# Altium PCB balenaFin_v1_x_x.PcbDoc (part 7 of 7)
Units mm, origin at the board's own origin, x right, y up, seen from the top; angles counter-clockwise.
Board outline 90.03 x 90.03 mm, 8 copper layers (TOP, GND, INT1, INT2, INT3, INT4, POWER, BOTTOM), stack 1.496 mm thick; 502 components, 409 nets, 2324 pads, 1048 vias.
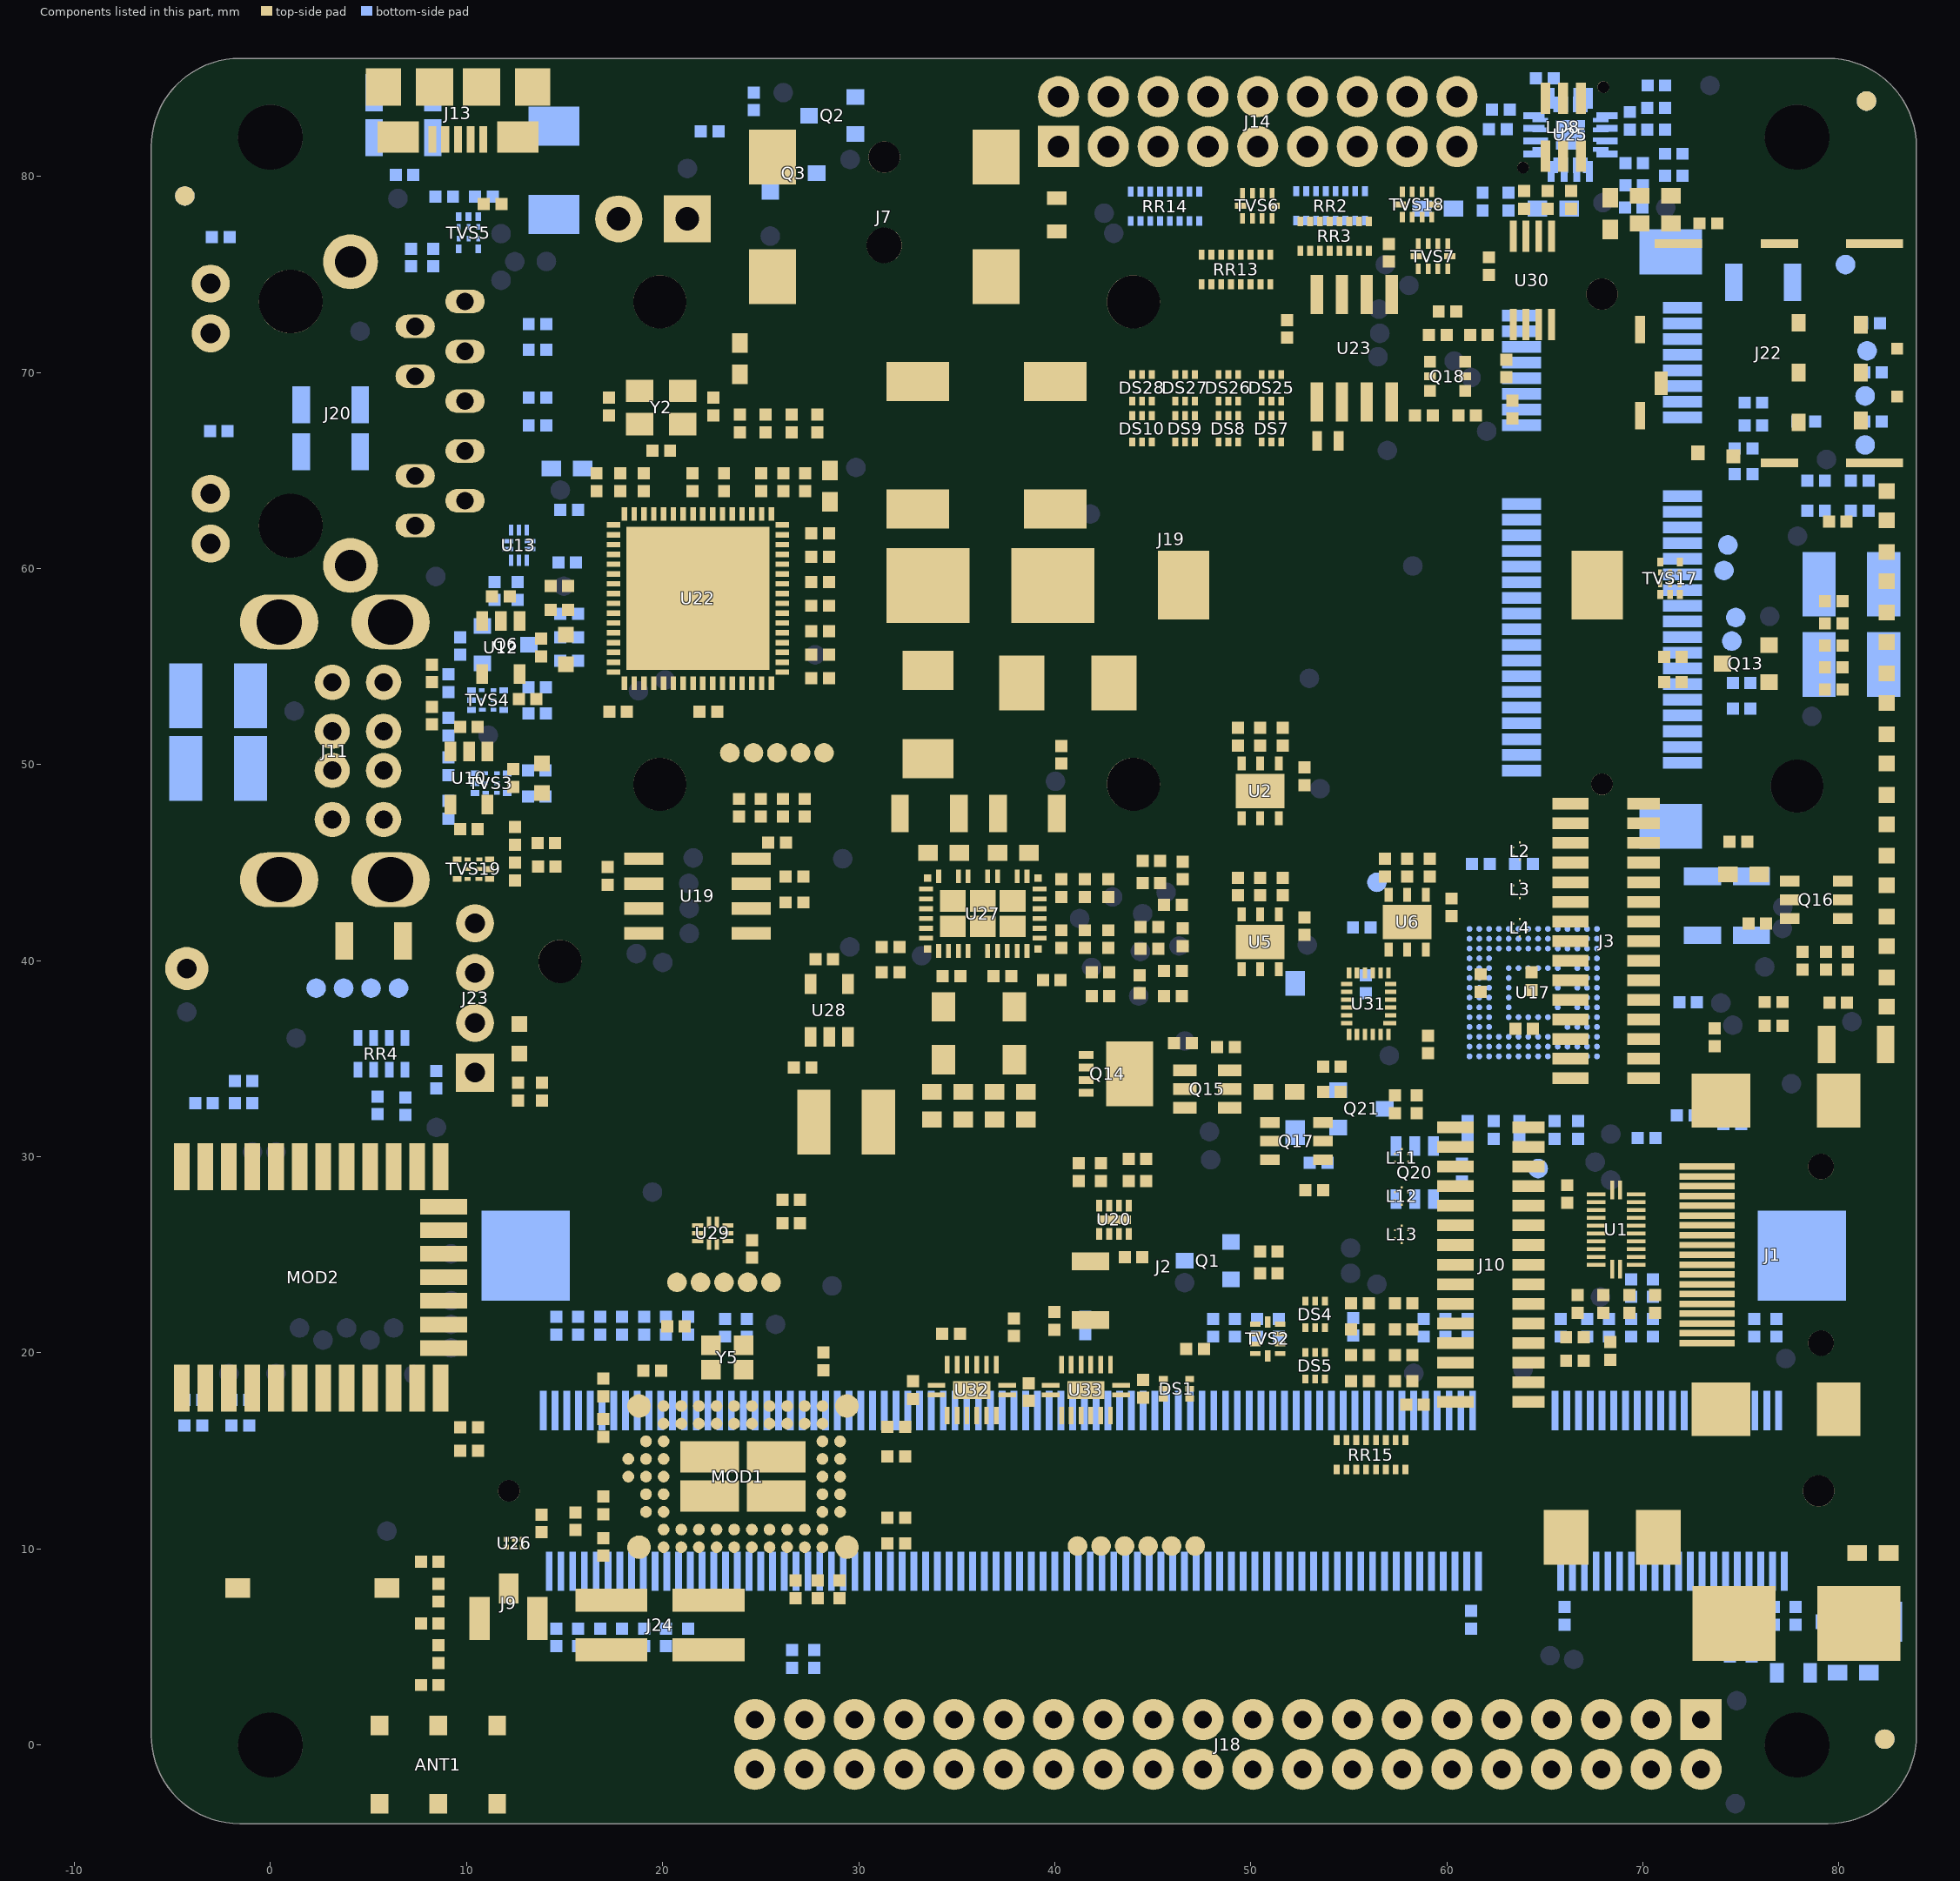
[diagram p13: the components of this part, seen from the top]

## Silkscreen, mask and mechanical layers (free items; w line width, h text height) (continued)
Title-block:
  drawing of 199 lines, arcs and shapes, not listed
  text "5" at -44.873,191.839 h1.27
  text "5" at -44.873,191.839 h1.27
  text "4" at 37.016,191.839 h1.27
  text "4" at 37.016,191.839 h1.27
  text "3" at 118.7,191.839 h1.27
  text "3" at 118.7,191.839 h1.27
  text "2" at 200.534,191.839 h1.27
  text "2" at 200.534,191.839 h1.27
  text "1" at 282.04,191.839 h1.27
  text "1" at 282.04,191.839 h1.27
  text "D" at -93.006,150.437 h1.27
  text "D" at -93.006,150.437 h1.27
  text "D" at 324.316,150.437 h1.27
  text "D" at 324.316,150.437 h1.27
  text "C" at -92.91,78.809 h1.27
  text "C" at -92.91,78.809 h1.27
  text "C" at 324.412,78.809 h1.27
  text "C" at 324.412,78.809 h1.27
  text "B" at -92.991,7.181 h1.27
  text "B" at -92.991,7.181 h1.27
  text "B" at 324.331,7.181 h1.27
  text "B" at 324.331,7.181 h1.27
  text "MANFACTURING SPECIFICATIONS" at 242.272,-27.368 h1.31
  text "MANFACTURING SPECIFICATIONS" at 242.272,-27.368 h1.31
  text "BOARD SIZE" at 177.653,-33.368 h1.31
  text "BOARD SIZE" at 177.653,-33.368 h1.31
  text "90X90x1.6mm" at 236.503,-33.368 h1.31
  text "90X90x1.6mm" at 236.503,-33.368 h1.31
  text "SOLDER COLOR" at 251.089,-33.368 h1.31
  text "SOLDER COLOR" at 251.089,-33.368 h1.31
  text "BLACK" at 316.121,-33.368 h1.31
  text "BLACK" at 316.121,-33.368 h1.31
  text "NO.OF LAYERS" at 177.648,-39.368 h1.31
  text "NO.OF LAYERS" at 177.648,-39.368 h1.31
  text "8" at 248.236,-39.368 h1.31
  text "8" at 248.236,-39.368 h1.31
  text "DIELECTRIC MATERIAL" at 251.032,-39.368 h1.31
  text "DIELECTRIC MATERIAL" at 251.032,-39.368 h1.31
  text "FR4-TG140" at 312.918,-39.368 h1.31
  text "FR4-TG140" at 312.918,-39.368 h1.31
  text "COPPER THICKNESS" at 177.695,-45.368 h1.31
  text "COPPER THICKNESS" at 177.695,-45.368 h1.31
  text "35um" at 245.01,-45.368 h1.31
  text "35um" at 245.01,-45.368 h1.31
  text "MIN.TRACE WIDTH" at 251.037,-45.368 h1.31
  text "MIN.TRACE WIDTH" at 251.037,-45.368 h1.31
  text "0.1mm" at 316.999,-45.368 h1.31
  text "0.1mm" at 316.999,-45.368 h1.31
  text "FINISH" at 177.636,-51.368 h1.31
  text "FINISH" at 177.636,-51.368 h1.31
  text "ENIG" at 244.873,-51.368 h1.31
  text "ENIG" at 244.873,-51.368 h1.31
  text "MIN.TRACE SPACING" at 251.037,-51.368 h1.31
  text "MIN.TRACE SPACING" at 251.037,-51.368 h1.31
  text "0.1mm" at 316.999,-51.368 h1.31
  text "0.1mm" at 316.999,-51.368 h1.31
  text "0.254mm" at 315.399,-57.268 h1.31
  text "0.254mm" at 315.399,-57.268 h1.31
  text "SILKSCREEN COLOR" at 177.703,-57.368 h1.31
  text "SILKSCREEN COLOR" at 177.703,-57.368 h1.31
  text "WHITE" at 243.377,-57.368 h1.31
  text "WHITE" at 243.377,-57.368 h1.31
  text "MIN. VIA SIZE" at 251.037,-57.368 h1.31
  text "MIN. VIA SIZE" at 251.037,-57.368 h1.31
  text "Project name" at 228.344,-63.241 h1.31
  text "Board name" at 276.62,-63.241 h1.31
  text "A" at -92.732,-64.447 h1.27
  text "A" at -92.732,-64.447 h1.27
  text "A" at 324.59,-64.447 h1.27
  text "A" at 324.59,-64.447 h1.27
  text "BALENAFIN" at 242.699,-69.591 h1.31
  text "BALENAFIN" at 287.862,-69.591 h1.31
  text "Designer" at 228.344,-75.635 h1.31
  text "Approved" at 276.886,-75.643 h1.31
  text "Nicolas Tzovanis" at 243.086,-75.758 h1.31
  text "Data" at 273.887,-90.394 h1.31
  text "Data" at 273.887,-90.394 h1.31
  text "Rev." at 229.5,-90.488 h1.31
  text "Rev." at 229.5,-90.488 h1.31
  text "5" at -44.873,-102.547 h1.27
  text "5" at -44.873,-102.547 h1.27
  text "4" at 37.016,-102.547 h1.27
  text "4" at 37.016,-102.547 h1.27
  text "3" at 118.7,-102.547 h1.27
  text "3" at 118.7,-102.547 h1.27
  text "2" at 200.534,-102.547 h1.27
  text "2" at 200.534,-102.547 h1.27
  text "1" at 282.04,-102.547 h1.27
  text "1" at 282.04,-102.547 h1.27
Flying-probe-bottom:
  text "N18502868" at 73.415,84.633 h0.7
  text "N17297409" at 26.15,84.27 h0.7
  text "N17299945" at 29.56,80.86 h0.7
  text "VIN_CON" at 21.26,80.4 h0.7
  text "N17354151" at 6.5,78.87 h0.7
  text "N18502871" at 67.96,78.66 h0.7
  text "N18498215" at 71.16,78.4 h0.7
  text "N18386825" at 42.516,78.12 h0.7
  text "N18386822" at 43.005,77.095 h0.7
  text "+5V_USB_DBG" at 11.76,77.077 h0.7
  text "EMMC_EN_N_1V8" at 25.49,76.95 h0.7
  text "GND_DIGITAL-1" at 14.07,75.66 h1
  text "USB_DBG_D+" at 12.46,75.65 h0.7
  text "SW_I2C_SDA_ON" at 56.86,75.5 h0.7
  text "N17130249" at 80.33,75.5 h0.7
  text "USB_DBG_D-" at 11.76,74.7 h0.7
  text "MCU-GPIO7_EXT" at 58.063,74.437 h0.7
  text "SW_I2C_SCL_ON" at 56.538,73.223 h0.7
  text "GND_EARTH" at 4.57,72.1 h0.7
  text "I2C1_SDA" at 56.576,71.994 h0.7
  text "N17130223" at 81.43,71.1 h0.7
  text "I2C1_SCL" at 56.482,70.8 h0.7
  text "N18668852" at 60.37,70.58 h0.7
  text "N17130185" at 61.23,69.74 h0.7
  text "N17130226" at 81.33,68.8 h0.7
  text "N17123208" at 62.03,67 h0.7
  text "N17130229" at 81.33,66.3 h0.7
  text "N18469944" at 56.962,66.02 h0.7
  text "N17128944" at 79.36,65.56 h0.7
  text "+1V8_USBPLL" at 29.86,65.152 h0.7
  text "N18424363" at 14.78,64 h0.7
  text "SPI-MCU_SCLK" at 41.81,62.78 h0.7
  text "N18660257" at 77.878,61.65 h0.7
  text "N17130232" at 74.33,61.2 h0.7
  text "+1V5" at 58.26,60.13 h0.7
  text "N17130235" at 74.13,59.9 h0.7
  text "5V_HOST2" at 8.428,59.592 h0.7
  text "+3V3_A" at 14.96,59.1 h0.7
  text "PW_EN_LED" at 76.46,57.56 h0.7
  text "N17130238" at 74.73,57.5 h0.7
  text "N17130241" at 74.53,56.3 h0.7
  text "N18433009" at 27.782,55.6 h0.7
  text "+5V" at 52.982,54.4 h0.7
  text "N18439559" at 20.125,54.316 h0.7
  text "N18439563" at 18.77,53.76 h0.7
  text "5V_HOST1" at 1.206,52.731 h0.7
  text "SEL_CAM_DIS" at 78.612,52.46 h0.7
  text "USB_HOST1_CTRL" at 11.1,51.5 h0.7
  text "N18679899" at 40.033,49.15 h0.7
  text "+2V8" at 53.53,48.772 h0.7
  text "EE_CLK" at 21.56,45.24 h0.7
  text "+3V3" at 29.185,45.2 h0.7
  text "N18406685" at 56.43,44 h0.7
  text "EE_CS" at 21.33,43.94 h0.7
  text "N18693121" at 45.678,43.49 h0.7
  text "N18690133" at 42.948,43.252 h0.7
  text "N18639693" at 77.132,42.74 h0.7
  text "EE_DO" at 21.36,42.66 h0.7
  text "N18692780" at 44.48,42.398 h0.7
  text "N18690136" at 41.268,42.15 h0.7
  text "N18639689" at 77.108,41.64 h0.7
  text "EE_DI" at 21.36,41.39 h0.7
  text "+1V8" at 52.878,40.8 h0.7
  text "N18693124" at 46.34,40.75 h0.7
  text "N18689680" at 29.548,40.7 h0.7
  text "N18692359" at 44.367,40.471 h0.7
  text "SWDIO_MCU" at 18.66,40.36 h0.7
  text "N18695554" at 33.21,40.252 h0.7
  text "SWCLK_MCU" at 20.01,39.91 h0.7
  text "N16879463" at 76.21,39.682 h0.7
  text "N18696577" at 41.88,39.652 h0.7
  text "+5V_INT" at 44.282,38.2 h0.7
  text "HDMI_CEC" at 73.973,37.842 h0.7
  text "GND_DIGITAL" at -4.27,37.38 h0.7
  text "+3V3_LED" at 80.653,36.89 h0.7
  text "N16879564" at 74.58,36.712 h0.7
  text "RST_MCU" at 1.31,36.05 h0.7
  text "N18655098" at 46.63,35.904 h0.7
  text "+5V_DEV" at 57.06,35.16 h0.7
  text "N16879749" at 77.57,33.727 h0.7
  text "+3V3_ON" at 8.46,31.5 h0.7
  text "N18655160" at 47.888,31.28 h0.7
  text "VDDM" at 68.36,31.16 h0.7
  text "MCU-GPIO7" at -0.92,30.248 h0.7
  text "MCU-GPIO6" at 0.28,30.248 h0.7
  text "N18656716" at 47.948,29.85 h0.7
  text "HDMI_SDA" at 67.56,29.73 h0.7
  text "EMMC_DS" at 64.65,29.4 h0.7
  text "HDMI_SCL" at 68.354,28.812 h0.7
  text "WIFI_BLE_PDN" at 7.16,28.41 h0.7
  text "PW_ON_3V3" at 19.48,28.2 h0.7
  text "HDMI_HPD" at 55.084,25.346 h0.7
  text "MCU-GPIO5" at 9.21,25.05 h0.7 r90
  text "N19378336" at 28.03,24.85 h0.7
  text "SW_I2C_SDA_ON-OFF" at 55.087,24.056 h0.7
  text "N16882551" at 46.62,23.58 h0.7
  text "SW_I2C_SCL_ON-OFF" at 56.43,23.5 h0.7
  text "BT_PCM_CLK" at 28.644,23.416 h0.7
  text "BT_PCM_OUT" at 67.83,22.85 h0.7
  text "MCU-GPIO5" at 9.21,22.66 h0.7 r90
  text "MCU-GPIO5" at 9.21,21.45 h0.7 r90
  text "BT_PCM_IN" at 25.76,21.452 h0.7
  text "MCU-GPIO4" at 1.48,21.27 h0.7
  text "MCU-GPIO4" at 3.88,21.27 h0.7
  text "MCU-GPIO4" at 6.28,21.27 h0.7
  text "MCU-GPIO5" at 2.68,20.652 h0.7
  text "MCU-GPIO5" at 5.08,20.652 h0.7
  text "MCU-GPIO5" at 9.21,20.25 h0.7 r90
  text "EMMC_DISABLE_N" at 77.28,19.71 h0.7
  text "EMMC_CMD" at 63.88,19.143 h0.7
  text "MCU-GPIO5" at -2.12,18.948 h0.7 r180
  text "MCU-GPIO5" at 0.28,18.948 h0.7 r180
  text "WIFI_SDIO_CLK" at 58.31,18.96 h0.7
  text "MCU-GPIO5" at 7.309,18.9 h0.7
  text "N18652550" at 5.94,10.912 h0.7
  text "N17179377" at 10.86,7.06 h0.7
  text "I2C0_SDA" at 65.26,4.56 h0.7
  text "I2C0_SCL" at 66.469,4.369 h0.7
  text "3V3_HAT" at 74.78,2.26 h0.7
  text "5V_HAT" at 74.71,-2.99 h0.7

## Dimensions
0,86.3 to 77.86,82 on Fab-notes
77.86,82 to 77.86,0 on Fab-notes
-1.57,86 to -1.57,-4 on Fab-notes
-6.07,81.5 to 83.93,81.5 on Fab-notes

## Text inside footprints (layer, text, board x,y; h text height)
ANT1: PIN_NUMBER "2" at 8.48,1 h0.2 r270; PIN_NUMBER "6" at 11.48,-3 h0.2 r270; PIN_NUMBER "5" at 8.48,-3 h0.2 r270; PIN_NUMBER "4" at 5.48,-3 h0.2 r270; PIN_NUMBER "3" at 5.48,1 h0.2 r270; PIN_NUMBER "1" at 11.48,1 h0.2 r270
BAT1: PIN_NUMBER "1" at 67.587,59.15 h0.2 r180; PIN_NUMBER "2" at 46.487,59.15 h0.2 r180
C1: PIN_NUMBER "1" at 76.72,20.83 h0.2 r270; PIN_NUMBER "2" at 76.72,21.73 h0.2 r270
C2: PIN_NUMBER "1" at 75.6,20.83 h0.2 r270; PIN_NUMBER "2" at 75.6,21.73 h0.2 r270
C3: PIN_NUMBER "2" at 77.03,36.69 h0.2; PIN_NUMBER "1" at 76.13,36.69 h0.2
C4: PIN_NUMBER "2" at 65.92,7.04 h0.2 r270; PIN_NUMBER "1" at 65.92,6.14 h0.2 r270
C5: PIN_NUMBER "1" at 65.73,20.83 h0.2 r270; PIN_NUMBER "2" at 65.73,21.73 h0.2 r270
C6: PIN_NUMBER "2" at 61.16,6.84 h0.2 r270; PIN_NUMBER "1" at 61.16,5.94 h0.2 r270
C7: PIN_NUMBER "1" at 60.97,20.83 h0.2 r270; PIN_NUMBER "2" at 60.97,21.73 h0.2 r270
C8: PIN_NUMBER "2" at 79.117,35.819 h0.2 r180; PIN_NUMBER "1" at 82.111,35.813 h0.2 r180
C9: PIN_NUMBER "2" at 66.58,22.04 h0.2 r270; PIN_NUMBER "1" at 66.58,22.94 h0.2 r270
C10: PIN_NUMBER "2" at 69.22,22.04 h0.2 r270; PIN_NUMBER "1" at 69.22,22.94 h0.2 r270
C11: PIN_NUMBER "1" at 58.38,33.13 h0.2 r270; PIN_NUMBER "2" at 58.38,32.23 h0.2 r270
C12: PIN_NUMBER "1" at 57.26,33.13 h0.2 r270; PIN_NUMBER "2" at 57.26,32.23 h0.2 r270
C13: PIN_NUMBER "2" at 21.21,5.94 h0.2 r270; PIN_NUMBER "1" at 21.21,5.04 h0.2 r270
C14: PIN_NUMBER "1" at 21.21,20.93 h0.2 r270; PIN_NUMBER "2" at 21.21,21.83 h0.2 r270
C15: PIN_NUMBER "2" at 20.09,5.94 h0.2 r270; PIN_NUMBER "1" at 20.09,5.04 h0.2 r270
C16: PIN_NUMBER "1" at 20.09,20.93 h0.2 r270; PIN_NUMBER "2" at 20.09,21.83 h0.2 r270
C17: PIN_NUMBER "2" at 18.97,5.94 h0.2 r270; PIN_NUMBER "1" at 18.97,5.04 h0.2 r270
C18: PIN_NUMBER "1" at 18.97,20.93 h0.2 r270; PIN_NUMBER "2" at 18.97,21.83 h0.2 r270
C19: PIN_NUMBER "2" at 17.85,5.94 h0.2 r270; PIN_NUMBER "1" at 17.85,5.04 h0.2 r270
C20: PIN_NUMBER "1" at 17.85,20.93 h0.2 r270; PIN_NUMBER "2" at 17.85,21.83 h0.2 r270
C21: PIN_NUMBER "2" at 16.73,5.94 h0.2 r270; PIN_NUMBER "1" at 16.73,5.04 h0.2 r270
C22: PIN_NUMBER "1" at 16.73,20.93 h0.2 r270; PIN_NUMBER "2" at 16.73,21.83 h0.2 r270
C23: PIN_NUMBER "2" at 15.61,5.94 h0.2 r270; PIN_NUMBER "1" at 15.61,5.04 h0.2 r270
C24: PIN_NUMBER "1" at 15.61,20.93 h0.2 r270; PIN_NUMBER "2" at 15.61,21.83 h0.2 r270
C25: PIN_NUMBER "2" at 14.49,5.94 h0.2 r270; PIN_NUMBER "1" at 14.49,5.04 h0.2 r270
C26: PIN_NUMBER "1" at 14.49,20.93 h0.2 r270; PIN_NUMBER "2" at 14.49,21.83 h0.2 r270
C27: PIN_NUMBER "1" at 52.66,49.85 h0.2 r270; PIN_NUMBER "2" at 52.66,48.95 h0.2 r270
C28: PIN_NUMBER "1" at 49.26,50.97 h0.2 r90; PIN_NUMBER "2" at 49.26,51.87 h0.2 r90
C39: PIN_NUMBER "1" at 52.66,42.21 h0.2 r270; PIN_NUMBER "2" at 52.66,41.31 h0.2 r270
C40: PIN_NUMBER "1" at 49.26,43.33 h0.2 r90; PIN_NUMBER "2" at 49.26,44.23 h0.2 r90
C42: PIN_NUMBER "2" at 60.16,42.27 h0.2 r270; PIN_NUMBER "1" at 60.16,43.17 h0.2 r270
C43: PIN_NUMBER "1" at 56.76,44.29 h0.2 r90; PIN_NUMBER "2" at 56.76,45.19 h0.2 r90
C60: PIN_NUMBER "2" at 7.59,3.06 h0.2 r180; PIN_NUMBER "1" at 8.49,3.06 h0.2 r180
C61: PIN_NUMBER "1" at 58.74,17.36 h0.2 r180; PIN_NUMBER "2" at 57.84,17.36 h0.2 r180
C63: PIN_NUMBER "2" at 9.59,46.7 h0.2 r180; PIN_NUMBER "1" at 10.49,46.7 h0.2 r180
C64: PIN_NUMBER "2" at 9.59,51.92 h0.2 r180; PIN_NUMBER "1" at 10.49,51.92 h0.2 r180
C68: PIN_NUMBER "2" at 8.99,47.24 h0.2 r90; PIN_NUMBER "1" at 8.99,48.14 h0.2 r90
C69: PIN_NUMBER "2" at 8.99,50.36 h0.2 r270; PIN_NUMBER "1" at 8.99,49.46 h0.2 r270
C70: PIN_NUMBER "2" at 8.153,52.05 h0.2 r270; PIN_NUMBER "1" at 8.153,52.95 h0.2 r270
C71: PIN_NUMBER "1" at 1.509,66.033 h0.2 r180; PIN_NUMBER "2" at 4.504,66.039 h0.2 r180
C75: PIN_NUMBER "2" at 13.48,53.34 h0.2; PIN_NUMBER "1" at 12.58,53.34 h0.2
C76: PIN_NUMBER "2" at 11.22,58.58 h0.2 r180; PIN_NUMBER "1" at 12.12,58.58 h0.2 r180
C77: PIN_NUMBER "2" at 8.99,51.48 h0.2 r90; PIN_NUMBER "1" at 8.99,52.38 h0.2 r90
C78: PIN_NUMBER "2" at 8.99,54.6 h0.2 r270; PIN_NUMBER "1" at 8.99,53.7 h0.2 r270
C79: PIN_NUMBER "2" at 8.153,55.1 h0.2 r90; PIN_NUMBER "1" at 8.153,54.2 h0.2 r90
C85: PIN_NUMBER "1" at 12.52,59.31 h0.2 r90; PIN_NUMBER "2" at 12.52,58.41 h0.2 r90
C86: PIN_NUMBER "2" at 8.33,78.97 h0.2; PIN_NUMBER "1" at 9.23,78.97 h0.2
C87: PIN_NUMBER "2" at 11.25,78.97 h0.2 r180; PIN_NUMBER "1" at 10.35,78.97 h0.2 r180
C88: PIN_NUMBER "2" at 11.7,78.58 h0.2; PIN_NUMBER "1" at 10.8,78.58 h0.2
C89: PIN_NUMBER "1" at 8.021,84.177 h0.2; PIN_NUMBER "2" at 5.027,84.171 h0.2
C91: PIN_NUMBER "2" at -3.02,32.74 h0.2 r180; PIN_NUMBER "1" at -3.92,32.74 h0.2 r180
C92: PIN_NUMBER "2" at -1.9,32.74 h0.2; PIN_NUMBER "1" at -1,32.74 h0.2
C93: PIN_NUMBER "2" at -1.9,33.86 h0.2; PIN_NUMBER "1" at -1,33.86 h0.2
C107: PIN_NUMBER "1" at 66.62,30.92 h0.2 r270; PIN_NUMBER "2" at 66.62,31.82 h0.2 r270
C108: PIN_NUMBER "1" at 65.42,30.92 h0.2 r270; PIN_NUMBER "2" at 65.42,31.82 h0.2 r270
C109: PIN_NUMBER "2" at 58.95,36.18 h0.2 r90; PIN_NUMBER "1" at 58.95,35.28 h0.2 r90
C110: PIN_NUMBER "2" at 64.24,38.5 h0.2 r270; PIN_NUMBER "1" at 64.24,39.4 h0.2 r270
C111: PIN_NUMBER "2" at 64.31,36.52 h0.2; PIN_NUMBER "1" at 63.41,36.52 h0.2
C112: PIN_NUMBER "2" at 61.64,39.31 h0.2 r90; PIN_NUMBER "1" at 61.64,38.41 h0.2 r90
C113: PIN_NUMBER "1" at 79.835,3.79 h0.2 r180; PIN_NUMBER "2" at 81.485,3.79 h0.2 r180
C114: PIN_NUMBER "1" at 80.845,9.7 h0.2; PIN_NUMBER "2" at 82.495,9.7 h0.2
C115: PIN_NUMBER "1" at 65.99,78.255 h0.2; PIN_NUMBER "2" at 64.34,78.255 h0.2
C116: PIN_NUMBER "2" at 60.3,78.455 h0.2 r180; PIN_NUMBER "1" at 58.65,78.455 h0.2 r180
C117: PIN_NUMBER "2" at 63.06,79.165 h0.2 r270; PIN_NUMBER "1" at 63.06,78.265 h0.2 r270
C118: PIN_NUMBER "1" at 61.74,78.265 h0.2 r270; PIN_NUMBER "2" at 61.74,79.165 h0.2 r270
C119: PIN_NUMBER "1" at 74.6,66.13 h0.2 r180; PIN_NUMBER "2" at 75.5,66.13 h0.2 r180
C120: PIN_NUMBER "2" at 75.5,64.81 h0.2 r180; PIN_NUMBER "1" at 74.6,64.81 h0.2 r180
C121: PIN_NUMBER "2" at 74.5,54.17 h0.2; PIN_NUMBER "1" at 75.4,54.17 h0.2
C122: PIN_NUMBER "2" at 74.5,52.85 h0.2; PIN_NUMBER "1" at 75.4,52.85 h0.2
C123: PIN_NUMBER "2" at 62.1,44.93 h0.2 r180; PIN_NUMBER "1" at 61.2,44.93 h0.2 r180
C124: PIN_NUMBER "1" at 64.3,44.93 h0.2; PIN_NUMBER "2" at 63.4,44.93 h0.2
C134: PIN_NUMBER "1" at 6.501,41.083 h0.2 r180; PIN_NUMBER "2" at 3.507,41.089 h0.2 r180
C135: PIN_NUMBER "1" at 14.245,65.2 h0.2 r180; PIN_NUMBER "2" at 15.895,65.2 h0.2 r180
C136: PIN_NUMBER "2" at 13.99,72.47 h0.2 r180; PIN_NUMBER "1" at 13.09,72.47 h0.2 r180
C137: PIN_NUMBER "2" at 13.99,71.15 h0.2 r180; PIN_NUMBER "1" at 13.09,71.15 h0.2 r180
C138: PIN_NUMBER "2" at 13.99,68.71 h0.2 r180; PIN_NUMBER "1" at 13.09,68.71 h0.2 r180
C139: PIN_NUMBER "2" at 13.99,67.29 h0.2 r180; PIN_NUMBER "1" at 13.09,67.29 h0.2 r180
C140: PIN_NUMBER "1" at 25.31,46.03 h0.2; PIN_NUMBER "2" at 26.21,46.03 h0.2
C147: PIN_NUMBER "2" at 22.51,67.81 h0.2 r270; PIN_NUMBER "1" at 22.51,68.71 h0.2 r270
C148: PIN_NUMBER "2" at 17.19,68.71 h0.2 r90; PIN_NUMBER "1" at 17.19,67.81 h0.2 r90
C149: PIN_NUMBER "1" at 43.49,24.87 h0.2; PIN_NUMBER "2" at 44.39,24.87 h0.2
C150: PIN_NUMBER "1" at 43.69,28.77 h0.2; PIN_NUMBER "2" at 44.59,28.77 h0.2
C151: PIN_NUMBER "2" at 44.59,29.89 h0.2; PIN_NUMBER "1" at 43.69,29.89 h0.2
C152: PIN_NUMBER "2" at 41.15,29.67 h0.2 r90; PIN_NUMBER "1" at 41.15,28.77 h0.2 r90
C153: PIN_NUMBER "2" at 82,72.5 h0.2 r180; PIN_NUMBER "1" at 81.1,72.5 h0.2 r180
C154: PIN_NUMBER "2" at 82.1,70 h0.2 r180; PIN_NUMBER "1" at 81.2,70 h0.2 r180
C155: PIN_NUMBER "2" at 82.1,67.5 h0.2 r180; PIN_NUMBER "1" at 81.2,67.5 h0.2 r180
C156: PIN_NUMBER "2" at 78.7,67.5 h0.2 r180; PIN_NUMBER "1" at 77.8,67.5 h0.2 r180
C170: PIN_NUMBER "1" at 14.6,60.3 h0.2 r180; PIN_NUMBER "2" at 15.5,60.3 h0.2 r180
C171: PIN_NUMBER "1" at 14.7,57.7 h0.2 r180; PIN_NUMBER "2" at 15.6,57.7 h0.2 r180
C172: PIN_NUMBER "1" at 27.19,64.85 h0.2 r270; PIN_NUMBER "2" at 27.19,63.95 h0.2 r270
C173: PIN_NUMBER "1" at 24.95,64.85 h0.2 r270; PIN_NUMBER "2" at 24.95,63.95 h0.2 r270
C174: PIN_NUMBER "1" at 23.05,64.85 h0.2 r270; PIN_NUMBER "2" at 23.05,63.95 h0.2 r270
C175: PIN_NUMBER "1" at 21.45,64.85 h0.2 r270; PIN_NUMBER "2" at 21.45,63.95 h0.2 r270
C176: PIN_NUMBER "1" at 16.55,64.85 h0.2 r270; PIN_NUMBER "2" at 16.55,63.95 h0.2 r270
C177: PIN_NUMBER "1" at 27.5,60.6 h0.2; PIN_NUMBER "2" at 28.4,60.6 h0.2
C178: PIN_NUMBER "1" at 27.5,59.3 h0.2; PIN_NUMBER "2" at 28.4,59.3 h0.2
C179: PIN_NUMBER "1" at 27.5,54.4 h0.2; PIN_NUMBER "2" at 28.4,54.4 h0.2
C180: PIN_NUMBER "1" at 22.7,52.7 h0.2 r180; PIN_NUMBER "2" at 21.8,52.7 h0.2 r180
C181: PIN_NUMBER "1" at 18.1,52.7 h0.2 r180; PIN_NUMBER "2" at 17.2,52.7 h0.2 r180
C182: PIN_NUMBER "2" at 28.4,56.8 h0.2; PIN_NUMBER "1" at 27.5,56.8 h0.2
C183: PIN_NUMBER "1" at 14.7,55.3 h0.2 r180; PIN_NUMBER "2" at 15.6,55.3 h0.2 r180
C184: PIN_NUMBER "2" at 28.4,58.1 h0.2; PIN_NUMBER "1" at 27.5,58.1 h0.2
C185: PIN_NUMBER "1" at 18.95,64.85 h0.2 r270; PIN_NUMBER "2" at 18.95,63.95 h0.2 r270
C186: PIN_NUMBER "2" at 28.4,61.8 h0.2; PIN_NUMBER "1" at 27.5,61.8 h0.2
C187: PIN_NUMBER "1" at 14.7,56.5 h0.2 r180; PIN_NUMBER "2" at 15.6,56.5 h0.2 r180
C188: PIN_NUMBER "1" at 51.76,72.67 h0.2 r270; PIN_NUMBER "2" at 51.76,71.77 h0.2 r270
C189: PIN_NUMBER "2" at 31.38,11.59 h0.2 r180; PIN_NUMBER "1" at 32.28,11.59 h0.2 r180
C190: PIN_NUMBER "2" at 26.71,7.49 h0.2 r270; PIN_NUMBER "1" at 26.71,8.39 h0.2 r270
C191: PIN_NUMBER "2" at 16.89,11.77 h0.2 r270; PIN_NUMBER "1" at 16.89,12.67 h0.2 r270
C192: PIN_NUMBER "2" at 31.38,14.72 h0.2 r180; PIN_NUMBER "1" at 32.28,14.72 h0.2 r180
C193: PIN_NUMBER "2" at 28.11,19.11 h0.2 r270; PIN_NUMBER "1" at 28.11,20.01 h0.2 r270
C194: PIN_NUMBER "1" at 27.83,7.49 h0.2 r90; PIN_NUMBER "2" at 27.83,8.39 h0.2 r90
C195: PIN_NUMBER "1" at 32.28,16.22 h0.2 r180; PIN_NUMBER "2" at 31.38,16.22 h0.2 r180
C196: PIN_NUMBER "1" at 18.94,19.09 h0.2; PIN_NUMBER "2" at 19.84,19.09 h0.2
C197: PIN_NUMBER "1" at 26.53,3.94 h0.2 r270; PIN_NUMBER "2" at 26.53,4.84 h0.2 r270
C198: PIN_NUMBER "1" at 27.65,3.94 h0.2 r270; PIN_NUMBER "2" at 27.65,4.84 h0.2 r270
C199: PIN_NUMBER "1" at 28.95,7.49 h0.2 r90; PIN_NUMBER "2" at 28.95,8.39 h0.2 r90
C201: PIN_NUMBER "2" at 7.59,6.2 h0.2 r180; PIN_NUMBER "1" at 8.49,6.2 h0.2 r180
C202: PIN_NUMBER "2" at 8.49,4.18 h0.2 r270; PIN_NUMBER "1" at 8.49,5.08 h0.2 r270
C204: PIN_NUMBER "2" at 69.25,83.28 h0.2 r270; PIN_NUMBER "1" at 69.25,82.38 h0.2 r270
C205: PIN_NUMBER "2" at 78.728,54.982 h0.2; PIN_NUMBER "1" at 82.021,54.998 h0.2
C206: PIN_NUMBER "1" at 82.021,59.098 h0.2; PIN_NUMBER "2" at 78.728,59.082 h0.2
C207: PIN_NUMBER "1" at 77.371,74.517 h0.2; PIN_NUMBER "2" at 74.377,74.511 h0.2
C208: PIN_NUMBER "1" at 72.953,44.201 h0.2 r90; PIN_NUMBER "2" at 72.959,41.207 h0.2 r90
C209: PIN_NUMBER "1" at 75.453,44.201 h0.2 r90; PIN_NUMBER "2" at 75.459,41.207 h0.2 r90
C210: PIN_NUMBER "2" at 13.75,11.75 h0.2 r90; PIN_NUMBER "1" at 13.75,10.85 h0.2 r90
C211: PIN_NUMBER "2" at 71.9,54.2 h0.2; PIN_NUMBER "1" at 71,54.2 h0.2
C212: PIN_NUMBER "1" at 45.3,45.08 h0.2 r180; PIN_NUMBER "2" at 44.4,45.08 h0.2 r180
C213: PIN_NUMBER "1" at 46.45,45.05 h0.2 r270; PIN_NUMBER "2" at 46.45,44.15 h0.2 r270
C214: PIN_NUMBER "1" at 46.4,42.84 h0.2 r180; PIN_NUMBER "2" at 45.5,42.84 h0.2 r180
C215: PIN_NUMBER "1" at 45.2,41.72 h0.2 r180; PIN_NUMBER "2" at 44.3,41.72 h0.2 r180
C216: PIN_NUMBER "1" at 46.45,41.65 h0.2 r270; PIN_NUMBER "2" at 46.45,40.75 h0.2 r270
C217: PIN_NUMBER "1" at 46.4,39.48 h0.2 r180; PIN_NUMBER "2" at 45.5,39.48 h0.2 r180
C218: PIN_NUMBER "1" at 37.7,39.2 h0.2 r180; PIN_NUMBER "2" at 36.8,39.2 h0.2 r180
C219: PIN_NUMBER "1" at 34.2,39.2 h0.2; PIN_NUMBER "2" at 35.1,39.2 h0.2
C220: PIN_NUMBER "2" at 40.25,41.55 h0.2 r90; PIN_NUMBER "1" at 40.25,40.65 h0.2 r90
C221: PIN_NUMBER "2" at 40.25,43.25 h0.2 r270; PIN_NUMBER "1" at 40.25,44.15 h0.2 r270
C222: PIN_NUMBER "1" at 34.846,47.583 h0.2 r180; PIN_NUMBER "2" at 31.852,47.589 h0.2 r180
C223: PIN_NUMBER "1" at 34.895,45.6 h0.2 r180; PIN_NUMBER "2" at 33.245,45.6 h0.2 r180
C224: PIN_NUMBER "2" at 40.039,47.411 h0.2; PIN_NUMBER "1" at 37.044,47.417 h0.2
C225: PIN_NUMBER "2" at 38.645,45.4 h0.2; PIN_NUMBER "1" at 36.995,45.4 h0.2
C226: PIN_NUMBER "2" at 40.22,39 h0.2; PIN_NUMBER "1" at 39.32,39 h0.2
C227: PIN_NUMBER "2" at 36.645,33.4 h0.2 r180; PIN_NUMBER "1" at 38.295,33.4 h0.2 r180
C228: PIN_NUMBER "2" at 36.645,32 h0.2 r180; PIN_NUMBER "1" at 38.295,32 h0.2 r180
C229: PIN_NUMBER "2" at 35.295,33.2 h0.2; PIN_NUMBER "1" at 33.645,33.2 h0.2
C230: PIN_NUMBER "2" at 35.295,31.8 h0.2; PIN_NUMBER "1" at 33.645,31.8 h0.2
C231: PIN_NUMBER "1" at 21.05,21.35 h0.2 r180; PIN_NUMBER "2" at 20.15,21.35 h0.2 r180
C232: PIN_NUMBER "2" at -4.572,53.382 h0.2; PIN_NUMBER "1" at -1.279,53.398 h0.2
C234: PIN_NUMBER "2" at -4.572,49.682 h0.2; PIN_NUMBER "1" at -1.279,49.698 h0.2
C235: PIN_NUMBER "2" at 28.61,40.08 h0.2; PIN_NUMBER "1" at 27.71,40.08 h0.2
C236: PIN_NUMBER "2" at 13.76,33.77 h0.2 r90; PIN_NUMBER "1" at 13.76,32.87 h0.2 r90
C237: PIN_NUMBER "2" at 12.39,44.09 h0.2 r270; PIN_NUMBER "1" at 12.39,44.99 h0.2 r270
C238: PIN_NUMBER "2" at 12.39,46.81 h0.2 r90; PIN_NUMBER "1" at 12.39,45.91 h0.2 r90
C239: PIN_NUMBER "2" at 12.54,33.77 h0.2 r90; PIN_NUMBER "1" at 12.54,32.87 h0.2 r90
C240: PIN_NUMBER "2" at 30.942,31.642 h0.2; PIN_NUMBER "1" at 27.649,31.658 h0.2
C241: PIN_NUMBER "1" at 24.48,25.75 h0.2 r270; PIN_NUMBER "2" at 24.48,24.85 h0.2 r270
C242: PIN_NUMBER "2" at 62.07,75.87 h0.2 r90; PIN_NUMBER "1" at 62.07,74.97 h0.2 r90
C243: PIN_NUMBER "1" at 55.78,39.25 h0.2 r90; PIN_NUMBER "2" at 55.78,38.35 h0.2 r90
C244: PIN_NUMBER "1" at 32.68,18.55 h0.2 r270; PIN_NUMBER "2" at 32.68,17.65 h0.2 r270
C245: PIN_NUMBER "1" at 38.6,18.45 h0.2 r270; PIN_NUMBER "2" at 38.6,17.55 h0.2 r270
DS1: PIN_NUMBER "3" at 46.792,18.77 h0.2 r90; PIN_NUMBER "6" at 45.442,17.77 h0.2 r90; PIN_NUMBER "1" at 46.792,17.77 h0.2 r90; PIN_NUMBER "4" at 45.442,18.77 h0.2 r90; PIN_NUMBER "2" at 46.792,18.27 h0.2 r90; PIN_NUMBER "5" at 45.442,18.27 h0.2 r90
DS2: PIN_NUMBER "1" at 32.934,63.146 h0.2 r90; PIN_NUMBER "2" at 32.952,69.624 h0.2 r90
DS3: PIN_NUMBER "2" at 39.952,69.624 h0.2 r90; PIN_NUMBER "1" at 39.934,63.146 h0.2 r90
DS4: PIN_NUMBER "2" at 53.02,22.702 h0.2 r180; PIN_NUMBER "5" at 53.02,21.352 h0.2 r180; PIN_NUMBER "1" at 53.52,22.702 h0.2 r180; PIN_NUMBER "4" at 52.52,21.352 h0.2 r180; PIN_NUMBER "6" at 53.52,21.352 h0.2 r180; PIN_NUMBER "3" at 52.52,22.702 h0.2 r180
DS5: PIN_NUMBER "2" at 53.22,18.598 h0.2; PIN_NUMBER "5" at 53.22,19.948 h0.2; PIN_NUMBER "4" at 53.72,19.948 h0.2; PIN_NUMBER "1" at 52.72,18.598 h0.2; PIN_NUMBER "6" at 52.72,19.948 h0.2; PIN_NUMBER "3" at 53.72,18.598 h0.2
DS7: PIN_NUMBER "1" at 50.49,66.378 h0.2; PIN_NUMBER "4" at 51.49,67.728 h0.2; PIN_NUMBER "3" at 51.49,66.378 h0.2; PIN_NUMBER "6" at 50.49,67.728 h0.2; PIN_NUMBER "5" at 50.99,67.728 h0.2; PIN_NUMBER "2" at 50.99,66.378 h0.2
DS8: PIN_NUMBER "4" at 49.29,67.728 h0.2; PIN_NUMBER "1" at 48.29,66.378 h0.2; PIN_NUMBER "3" at 49.29,66.378 h0.2; PIN_NUMBER "6" at 48.29,67.728 h0.2; PIN_NUMBER "2" at 48.79,66.378 h0.2; PIN_NUMBER "5" at 48.79,67.728 h0.2
DS9: PIN_NUMBER "4" at 47.09,67.728 h0.2; PIN_NUMBER "1" at 46.09,66.378 h0.2; PIN_NUMBER "3" at 47.09,66.378 h0.2; PIN_NUMBER "6" at 46.09,67.728 h0.2; PIN_NUMBER "2" at 46.59,66.378 h0.2; PIN_NUMBER "5" at 46.59,67.728 h0.2
DS10: PIN_NUMBER "4" at 44.89,67.728 h0.2; PIN_NUMBER "1" at 43.89,66.378 h0.2; PIN_NUMBER "3" at 44.89,66.378 h0.2; PIN_NUMBER "5" at 44.39,67.728 h0.2; PIN_NUMBER "2" at 44.39,66.378 h0.2; PIN_NUMBER "6" at 43.89,67.728 h0.2
DS25: PIN_NUMBER "4" at 51.49,69.828 h0.2; PIN_NUMBER "1" at 50.49,68.478 h0.2; PIN_NUMBER "2" at 50.99,68.478 h0.2; PIN_NUMBER "5" at 50.99,69.828 h0.2; PIN_NUMBER "3" at 51.49,68.478 h0.2; PIN_NUMBER "6" at 50.49,69.828 h0.2
DS26: PIN_NUMBER "3" at 48.09,69.962 h0.2 r180; PIN_NUMBER "6" at 49.09,68.612 h0.2 r180; PIN_NUMBER "4" at 48.09,68.612 h0.2 r180; PIN_NUMBER "1" at 49.09,69.962 h0.2 r180; PIN_NUMBER "5" at 48.59,68.612 h0.2 r180; PIN_NUMBER "2" at 48.59,69.962 h0.2 r180
DS27: PIN_NUMBER "1" at 46.89,69.962 h0.2 r180; PIN_NUMBER "4" at 45.89,68.612 h0.2 r180; PIN_NUMBER "3" at 45.89,69.962 h0.2 r180; PIN_NUMBER "6" at 46.89,68.612 h0.2 r180; PIN_NUMBER "5" at 46.39,68.612 h0.2 r180; PIN_NUMBER "2" at 46.39,69.962 h0.2 r180
DS28: PIN_NUMBER "4" at 43.69,68.612 h0.2 r180; PIN_NUMBER "1" at 44.69,69.962 h0.2 r180; PIN_NUMBER "6" at 44.69,68.612 h0.2 r180; PIN_NUMBER "3" at 43.69,69.962 h0.2 r180; PIN_NUMBER "5" at 44.19,68.612 h0.2 r180; PIN_NUMBER "2" at 44.19,69.962 h0.2 r180
DS32: PIN_NUMBER "1" at 33.302,54.704 h0.2 r270; PIN_NUMBER "2" at 33.265,50.225 h0.2 r270
DS33: PIN_NUMBER "2" at 14.195,82.635 h0.2 r270; PIN_NUMBER "1" at 14.232,78.156 h0.2 r270
DSW1: PIN_NUMBER "2" at 5.86,8 h0.2 r180; PIN_NUMBER "1" at -1.76,8 h0.2 r180; Assembly-top "ON" at 6.38,7.174 h0.3 r90
DSW2: PIN_NUMBER "1" at 52.18,38.85 h0.2 r270; PIN_NUMBER "2" at 52.18,31.23 h0.2 r270; Assembly-bottom "ON" at 52.686,30.79 h0.3
F1: PIN_NUMBER "1" at 33.455,59.14 h0.2; PIN_NUMBER "2" at 39.825,59.14 h0.2
F2: PIN_NUMBER "2" at 40.02,77.19 h0.2; PIN_NUMBER "1" at 40.02,78.89 h0.2
F3: PIN_NUMBER "1" at 78.45,3.69 h0.2 r270; PIN_NUMBER "2" at 76.75,3.69 h0.2 r270
F4: PIN_NUMBER "2" at 80.935,6.2 h0.2; PIN_NUMBER "1" at 74.565,6.2 h0.2
FID1: PIN_NUMBER "1" at -4.45,79 h0.2
FID2: PIN_NUMBER "1" at 82.25,0.3 h0.2
FID3: PIN_NUMBER "1" at 82.25,0.3 h0.2 r180
FID4: PIN_NUMBER "1" at -4.45,79 h0.2 r180
FID5: PIN_NUMBER "1" at 81.32,83.84 h0.2
FID6: PIN_NUMBER "1" at 81.32,83.84 h0.2 r180
J1: PIN_NUMBER "14" at 73.11,23 h0.2 r90; PIN_NUMBER "13" at 73.11,23.5 h0.2 r90; PIN_NUMBER "15" at 73.11,22.5 h0.2 r90; PIN_NUMBER "16" at 73.11,22 h0.2 r90; PIN_NUMBER "19" at 73.11,20.5 h0.2 r90; PIN_NUMBER "1" at 73.19,29.5 h0.2 r90; PIN_NUMBER "3" at 73.19,28.5 h0.2 r90; PIN_NUMBER "4" at 73.19,28 h0.2 r90; PIN_NUMBER "6" at 73.19,27 h0.2 r90; PIN_NUMBER "7" at 73.19,26.5 h0.2 r90; PIN_NUMBER "9" at 73.19,25.5 h0.2 r90; PIN_NUMBER "10" at 73.11,25 h0.2 r90; PIN_NUMBER "12" at 73.11,24 h0.2 r90; PIN_NUMBER "17" at 73.11,21.5 h0.2 r90; PIN_NUMBER "5" at 73.19,27.5 h0.2 r90; PIN_NUMBER "8" at 73.19,26 h0.2 r90; PIN_NUMBER "11" at 73.11,24.5 h0.2 r90; PIN_NUMBER "2" at 73.19,29 h0.2 r90; PIN_NUMBER "18" at 73.11,21 h0.2 r90; PIN_NUMBER "21" at 79.82,17.125 h0.2 r180; PIN_NUMBER "24" at 73.82,17.125 h0.2 r180; PIN_NUMBER "22" at 79.82,32.875 h0.2 r180; PIN_NUMBER "23" at 73.82,32.875 h0.2 r180; Assembly-top "EDGE" at 84.38,11.7 h0.3 r90; Assembly-top "EDGE" at 84.38,34.5 h0.3 r90
J2: PIN_NUMBER "189" at 16.97,8.86 h0.2; PIN_NUMBER "190" at 16.67,17.06 h0.2; PIN_NUMBER "171" at 22.37,8.86 h0.2; PIN_NUMBER "175" at 21.17,8.86 h0.2; PIN_NUMBER "173" at 21.77,8.86 h0.2; PIN_NUMBER "6" at 75.63,17.06 h0.2; PIN_NUMBER "4" at 76.23,17.06 h0.2; PIN_NUMBER "42" at 61.15,17.06 h0.2; PIN_NUMBER "200" at 13.67,17.06 h0.2; PIN_NUMBER "194" at 15.47,17.06 h0.2; PIN_NUMBER "198" at 14.27,17.06 h0.2; PIN_NUMBER "192" at 16.07,17.06 h0.2; PIN_NUMBER "41" at 61.45,8.86 h0.2; PIN_NUMBER "39" at 65.65,8.86 h0.2; PIN_NUMBER "40" at 65.35,17.06 h0.2; PIN_NUMBER "191" at 16.37,8.86 h0.2; PIN_NUMBER "193" at 15.77,8.86 h0.2; PIN_NUMBER "197" at 14.57,8.86 h0.2; PIN_NUMBER "199" at 13.97,8.86 h0.2; PIN_NUMBER "183" at 18.77,8.86 h0.2; PIN_NUMBER "185" at 18.17,8.86 h0.2; PIN_NUMBER "186" at 17.87,17.06 h0.2; PIN_NUMBER "184" at 18.47,17.06 h0.2; PIN_NUMBER "9" at 74.73,8.86 h0.2; PIN_NUMBER "11" at 74.05,8.86 h0.2; PIN_NUMBER "131" at 34.37,8.86 h0.2; PIN_NUMBER "129" at 34.97,8.86 h0.2; PIN_NUMBER "125" at 36.17,8.86 h0.2; PIN_NUMBER "123" at 36.77,8.86 h0.2; PIN_NUMBER "119" at 37.97,8.86 h0.2; PIN_NUMBER "117" at 38.57,8.86 h0.2; PIN_NUMBER "113" at 39.77,8.86 h0.2; PIN_NUMBER "111" at 40.37,8.86 h0.2; PIN_NUMBER "170" at 22.67,17.06 h0.2; PIN_NUMBER "38" at 65.95,17.06 h0.2; PIN_NUMBER "1" at 77.13,8.86 h0.2; PIN_NUMBER "61" at 55.45,8.86 h0.2; PIN_NUMBER "8" at 75.03,17.06 h0.2; PIN_NUMBER "169" at 22.97,8.86 h0.2; PIN_NUMBER "187" at 17.57,8.86 h0.2; PIN_NUMBER "195" at 15.17,8.86 h0.2; PIN_NUMBER "44" at 60.55,17.06 h0.2; PIN_NUMBER "68" at 53.35,17.06 h0.2; PIN_NUMBER "74" at 51.55,17.06 h0.2; PIN_NUMBER "80" at 49.75,17.06 h0.2; PIN_NUMBER "86" at 47.95,17.06 h0.2; PIN_NUMBER "92" at 46.15,17.06 h0.2; PIN_NUMBER "98" at 44.35,17.06 h0.2; PIN_NUMBER "50" at 58.75,17.06 h0.2; PIN_NUMBER "181" at 19.37,8.86 h0.2; PIN_NUMBER "157" at 26.57,8.86 h0.2; PIN_NUMBER "151" at 28.37,8.86 h0.2; PIN_NUMBER "145" at 30.17,8.86 h0.2; PIN_NUMBER "139" at 31.97,8.86 h0.2; PIN_NUMBER "133" at 33.77,8.86 h0.2; PIN_NUMBER "127" at 35.57,8.86 h0.2; PIN_NUMBER "121" at 37.37,8.86 h0.2; PIN_NUMBER "115" at 39.17,8.86 h0.2; PIN_NUMBER "109" at 40.97,8.86 h0.2; PIN_NUMBER "103" at 42.77,8.86 h0.2; PIN_NUMBER "97" at 44.65,8.86 h0.2; PIN_NUMBER "91" at 46.45,8.86 h0.2; PIN_NUMBER "85" at 48.25,8.86 h0.2; PIN_NUMBER "79" at 50.05,8.86 h0.2; PIN_NUMBER "73" at 51.85,8.86 h0.2; PIN_NUMBER "13" at 73.45,8.86 h0.2; PIN_NUMBER "19" at 71.65,8.86 h0.2; PIN_NUMBER "25" at 69.85,8.86 h0.2; PIN_NUMBER "31" at 68.05,8.86 h0.2; PIN_NUMBER "37" at 66.25,8.86 h0.2; PIN_NUMBER "67" at 53.65,8.86 h0.2; PIN_NUMBER "122" at 37.07,17.06 h0.2; PIN_NUMBER "164" at 24.47,17.06 h0.2; PIN_NUMBER "152" at 28.07,17.06 h0.2; PIN_NUMBER "146" at 29.87,17.06 h0.2; PIN_NUMBER "140" at 31.67,17.06 h0.2; PIN_NUMBER "134" at 33.47,17.06 h0.2; PIN_NUMBER "116" at 38.87,17.06 h0.2; PIN_NUMBER "110" at 40.67,17.06 h0.2; PIN_NUMBER "104" at 42.47,17.06 h0.2; PIN_NUMBER "163" at 24.77,8.86 h0.2; PIN_NUMBER "32" at 67.75,17.06 h0.2; PIN_NUMBER "26" at 69.55,17.06 h0.2; PIN_NUMBER "20" at 71.35,17.06 h0.2; PIN_NUMBER "14" at 73.15,17.06 h0.2; PIN_NUMBER "196" at 14.87,17.06 h0.2; PIN_NUMBER "188" at 17.27,17.06 h0.2; PIN_NUMBER "182" at 19.07,17.06 h0.2; PIN_NUMBER "62" at 55.15,17.06 h0.2; PIN_NUMBER "56" at 56.95,17.06 h0.2; PIN_NUMBER "7" at 75.33,8.86 h0.2; PIN_NUMBER "55" at 57.25,8.86 h0.2; PIN_NUMBER "49" at 59.05,8.86 h0.2; PIN_NUMBER "43" at 60.85,8.86 h0.2; PIN_NUMBER "179" at 19.97,8.86 h0.2; PIN_NUMBER "162" at 25.07,17.06 h0.2; PIN_NUMBER "160" at 25.67,17.06 h0.2; PIN_NUMBER "158" at 26.27,17.06 h0.2; PIN_NUMBER "156" at 26.87,17.06 h0.2; PIN_NUMBER "154" at 27.47,17.06 h0.2; PIN_NUMBER "132" at 34.07,17.06 h0.2; PIN_NUMBER "130" at 34.67,17.06 h0.2; PIN_NUMBER "128" at 35.27,17.06 h0.2; PIN_NUMBER "126" at 35.87,17.06 h0.2; PIN_NUMBER "124" at 36.47,17.06 h0.2; PIN_NUMBER "166" at 23.87,17.06 h0.2; PIN_NUMBER "10" at 74.35,17.06 h0.2; PIN_NUMBER "12" at 73.75,17.06 h0.2; PIN_NUMBER "24" at 70.15,17.06 h0.2; PIN_NUMBER "22" at 70.75,17.06 h0.2; PIN_NUMBER "18" at 71.95,17.06 h0.2; PIN_NUMBER "16" at 72.55,17.06 h0.2; PIN_NUMBER "84" at 48.55,17.06 h0.2; PIN_NUMBER "82" at 49.15,17.06 h0.2; PIN_NUMBER "147" at 29.57,8.86 h0.2; PIN_NUMBER "149" at 28.97,8.86 h0.2; PIN_NUMBER "153" at 27.77,8.86 h0.2; PIN_NUMBER "155" at 27.17,8.86 h0.2; PIN_NUMBER "159" at 25.97,8.86 h0.2; PIN_NUMBER "161" at 25.37,8.86 h0.2; PIN_NUMBER "90" at 46.75,17.06 h0.2; PIN_NUMBER "28" at 68.95,17.06 h0.2; PIN_NUMBER "118" at 38.27,17.06 h0.2; PIN_NUMBER "88" at 47.35,17.06 h0.2; PIN_NUMBER "30" at 68.35,17.06 h0.2; PIN_NUMBER "100" at 43.67,17.06 h0.2; PIN_NUMBER "2" at 76.83,17.06 h0.2; PIN_NUMBER "102" at 43.07,17.06 h0.2; PIN_NUMBER "94" at 45.55,17.06 h0.2; PIN_NUMBER "120" at 37.67,17.06 h0.2; PIN_NUMBER "96" at 44.95,17.06 h0.2; PIN_NUMBER "63" at 54.85,8.86 h0.2; PIN_NUMBER "65" at 54.25,8.86 h0.2; PIN_NUMBER "69" at 53.05,8.86 h0.2; PIN_NUMBER "71" at 52.45,8.86 h0.2; PIN_NUMBER "57" at 56.65,8.86 h0.2; PIN_NUMBER "51" at 58.45,8.86 h0.2; PIN_NUMBER "53" at 57.85,8.86 h0.2; PIN_NUMBER "165" at 24.17,8.86 h0.2; PIN_NUMBER "167" at 23.57,8.86 h0.2; PIN_NUMBER "46" at 59.95,17.06 h0.2; PIN_NUMBER "48" at 59.35,17.06 h0.2; PIN_NUMBER "180" at 19.67,17.06 h0.2; PIN_NUMBER "174" at 21.47,17.06 h0.2; PIN_NUMBER "178" at 20.27,17.06 h0.2; PIN_NUMBER "172" at 22.07,17.06 h0.2; PIN_NUMBER "76" at 50.95,17.06 h0.2; PIN_NUMBER "78" at 50.35,17.06 h0.2; PIN_NUMBER "176" at 20.87,17.06 h0.2; PIN_NUMBER "15" at 72.85,8.86 h0.2; PIN_NUMBER "59" at 56.05,8.86 h0.2; PIN_NUMBER "89" at 47.05,8.86 h0.2; PIN_NUMBER "168" at 23.27,17.06 h0.2; PIN_NUMBER "75" at 51.25,8.86 h0.2; PIN_NUMBER "33" at 67.45,8.86 h0.2; PIN_NUMBER "29" at 68.65,8.86 h0.2; PIN_NUMBER "35" at 66.85,8.86 h0.2; PIN_NUMBER "66" at 53.95,17.06 h0.2; PIN_NUMBER "64" at 54.55,17.06 h0.2; PIN_NUMBER "60" at 55.75,17.06 h0.2; PIN_NUMBER "58" at 56.35,17.06 h0.2; PIN_NUMBER "54" at 57.55,17.06 h0.2; PIN_NUMBER "52" at 58.15,17.06 h0.2; PIN_NUMBER "17" at 72.25,8.86 h0.2; PIN_NUMBER "21" at 71.05,8.86 h0.2; PIN_NUMBER "47" at 59.65,8.86 h0.2; PIN_NUMBER "87" at 47.65,8.86 h0.2; PIN_NUMBER "77" at 50.65,8.86 h0.2; PIN_NUMBER "81" at 49.45,8.86 h0.2; PIN_NUMBER "83" at 48.85,8.86 h0.2; PIN_NUMBER "93" at 45.85,8.86 h0.2; PIN_NUMBER "27" at 69.25,8.86 h0.2; PIN_NUMBER "95" at 45.25,8.86 h0.2; PIN_NUMBER "23" at 70.45,8.86 h0.2; PIN_NUMBER "99" at 44.05,8.86 h0.2; PIN_NUMBER "101" at 43.37,8.86 h0.2; PIN_NUMBER "45" at 60.25,8.86 h0.2; PIN_NUMBER "105" at 42.17,8.86 h0.2; PIN_NUMBER "107" at 41.57,8.86 h0.2; PIN_NUMBER "5" at 75.93,8.86 h0.2; PIN_NUMBER "3" at 76.53,8.86 h0.2; PIN_NUMBER "114" at 39.47,17.06 h0.2; PIN_NUMBER "106" at 41.87,17.06 h0.2; PIN_NUMBER "135" at 33.17,8.86 h0.2; PIN_NUMBER "137" at 32.57,8.86 h0.2; PIN_NUMBER "112" at 40.07,17.06 h0.2; PIN_NUMBER "143" at 30.77,8.86 h0.2; PIN_NUMBER "141" at 31.37,8.86 h0.2; PIN_NUMBER "108" at 41.27,17.06 h0.2; PIN_NUMBER "34" at 67.15,17.06 h0.2; PIN_NUMBER "36" at 66.55,17.06 h0.2; PIN_NUMBER "70" at 52.75,17.06 h0.2; PIN_NUMBER "72" at 52.15,17.06 h0.2; PIN_NUMBER "177" at 20.57,8.86 h0.2; PIN_NUMBER "150" at 28.67,17.06 h0.2; PIN_NUMBER "148" at 29.27,17.06 h0.2; PIN_NUMBER "138" at 32.27,17.06 h0.2; PIN_NUMBER "136" at 32.87,17.06 h0.2; PIN_NUMBER "144" at 30.47,17.06 h0.2; PIN_NUMBER "142" at 31.07,17.06 h0.2; Assembly-bottom "1" at 77.68,7.25 h0.3
J3: PIN_NUMBER "12" at 65.924,37.075 h0.2 r180; PIN_NUMBER "11" at 65.924,38.075 h0.2 r180; PIN_NUMBER "14" at 65.924,35.075 h0.2 r180; PIN_NUMBER "13" at 65.924,36.075 h0.2 r180; PIN_NUMBER "4" at 66.084,45.075 h0.2 r180; PIN_NUMBER "10" at 65.924,39.075 h0.2 r180; PIN_NUMBER "7" at 66.084,42.075 h0.2 r180; PIN_NUMBER "1" at 66.084,48.075 h0.2 r180; PIN_NUMBER "15" at 65.924,34.075 h0.2 r180; PIN_NUMBER "6" at 66.084,43.075 h0.2 r180; PIN_NUMBER "9" at 66.084,40.075 h0.2 r180; PIN_NUMBER "5" at 66.084,44.075 h0.2 r180; PIN_NUMBER "8" at 66.084,41.075 h0.2 r180; PIN_NUMBER "2" at 66.084,47.075 h0.2 r180; PIN_NUMBER "3" at 66.084,46.075 h0.2 r180; PIN_NUMBER "30" at 69.494,48.072 h0.2 r180; PIN_NUMBER "29" at 69.494,47.072 h0.2 r180; PIN_NUMBER "28" at 69.494,46.072 h0.2 r180; PIN_NUMBER "27" at 69.494,45.072 h0.2 r180; PIN_NUMBER "26" at 69.494,44.072 h0.2 r180; PIN_NUMBER "25" at 69.494,43.072 h0.2 r180; PIN_NUMBER "24" at 69.494,42.072 h0.2 r180; PIN_NUMBER "23" at 69.494,41.072 h0.2 r180; PIN_NUMBER "22" at 69.494,40.072 h0.2 r180; PIN_NUMBER "21" at 69.494,39.072 h0.2 r180; PIN_NUMBER "20" at 69.494,38.072 h0.2 r180; PIN_NUMBER "19" at 69.494,37.072 h0.2 r180; PIN_NUMBER "18" at 69.494,36.072 h0.2 r180; PIN_NUMBER "17" at 69.494,35.072 h0.2 r180; PIN_NUMBER "16" at 69.494,34.072 h0.2 r180; Assembly-top "1" at 65.58,48.22 h0.3
J7: PIN_NUMBER "1B" at 36.588,80.746 h0.2 r270; PIN_NUMBER "1A" at 36.588,74.646 h0.2 r270; PIN_NUMBER "2" at 25.373,80.857 h0.2 r270; PIN_NUMBER "3" at 25.373,74.758 h0.2 r270
J9: PIN_NUMBER "1" at 12.06,7.985 h0.2 r180; PIN_NUMBER "2" at 13.535,6.46 h0.2 r270; PIN_NUMBER "3" at 10.585,6.46 h0.2 r270
J10: PIN_NUMBER "15" at 60.054,17.575 h0.2 r180; PIN_NUMBER "1" at 60.214,31.575 h0.2 r180; PIN_NUMBER "4" at 60.214,28.575 h0.2 r180; PIN_NUMBER "7" at 60.214,25.575 h0.2 r180; PIN_NUMBER "10" at 60.054,22.575 h0.2 r180; PIN_NUMBER "11" at 60.054,21.575 h0.2 r180; PIN_NUMBER "12" at 60.054,20.575 h0.2 r180; PIN_NUMBER "13" at 60.054,19.575 h0.2 r180; PIN_NUMBER "14" at 60.054,18.575 h0.2 r180; PIN_NUMBER "2" at 60.214,30.575 h0.2 r180; PIN_NUMBER "3" at 60.214,29.575 h0.2 r180; PIN_NUMBER "5" at 60.214,27.575 h0.2 r180; PIN_NUMBER "6" at 60.214,26.575 h0.2 r180; PIN_NUMBER "8" at 60.214,24.575 h0.2 r180; PIN_NUMBER "9" at 60.214,23.575 h0.2 r180; PIN_NUMBER "30" at 63.624,31.572 h0.2 r180; PIN_NUMBER "29" at 63.624,30.572 h0.2 r180; PIN_NUMBER "28" at 63.624,29.572 h0.2 r180; PIN_NUMBER "27" at 63.624,28.572 h0.2 r180; PIN_NUMBER "26" at 63.624,27.572 h0.2 r180; PIN_NUMBER "25" at 63.624,26.572 h0.2 r180; PIN_NUMBER "24" at 63.624,25.572 h0.2 r180; PIN_NUMBER "23" at 63.624,24.572 h0.2 r180; PIN_NUMBER "22" at 63.624,23.572 h0.2 r180; PIN_NUMBER "21" at 63.624,22.572 h0.2 r180; PIN_NUMBER "20" at 63.624,21.572 h0.2 r180; PIN_NUMBER "19" at 63.624,20.572 h0.2 r180; PIN_NUMBER "18" at 63.624,19.572 h0.2 r180; PIN_NUMBER "17" at 63.624,18.572 h0.2 r180; PIN_NUMBER "16" at 63.624,17.572 h0.2 r180; Assembly-top "1" at 59.78,31.67 h0.3
J11: PIN_NUMBER "10" at 5.96,57.27 h0.2 r270; PIN_NUMBER "9" at 0.36,57.27 h0.2 r270; PIN_NUMBER "12" at 0.28,44.13 h0.2 r270; PIN_NUMBER "11" at 5.96,44.13 h0.2 r270; PIN_NUMBER "3" at 3.07,49.7 h0.2 r270; PIN_NUMBER "2" at 3.07,51.7 h0.2 r270; PIN_NUMBER "1" at 3.07,54.2 h0.2 r270; PIN_NUMBER "5" at 5.69,54.2 h0.2 r270; PIN_NUMBER "7" at 5.69,49.7 h0.2 r270; PIN_NUMBER "6" at 5.69,51.7 h0.2 r270; PIN_NUMBER "4" at 3.07,47.2 h0.2 r270; PIN_NUMBER "8" at 5.69,47.2 h0.2 r270
J13: PIN_NUMBER "4" at 8.83,81.925 h0.2 r180; PIN_NUMBER "6" at 12.53,82.075 h0.2 r180; PIN_NUMBER "7" at 6.43,82.125 h0.2 r180; PIN_NUMBER "8" at 10.68,84.65 h0.2 r180; PIN_NUMBER "9" at 8.28,84.65 h0.2 r180; PIN_NUMBER "10" at 13.2,84.65 h0.2 r180; PIN_NUMBER "11" at 5.6,84.65 h0.2 r180; PIN_NUMBER "1" at 10.78,81.925 h0.2 r180; PIN_NUMBER "2" at 10.13,81.925 h0.2 r180; PIN_NUMBER "3" at 9.48,81.925 h0.2 r180; PIN_NUMBER "5" at 8.18,81.925 h0.2 r180; Assembly-top "EDGE" at 4.66,85.8 h0.3 r180; Assembly-top "EDGE" at 18.26,85.8 h0.3 r180